# Altium PCB APP_1_PCB.PcbDoc (part 2 of 5) (continued)
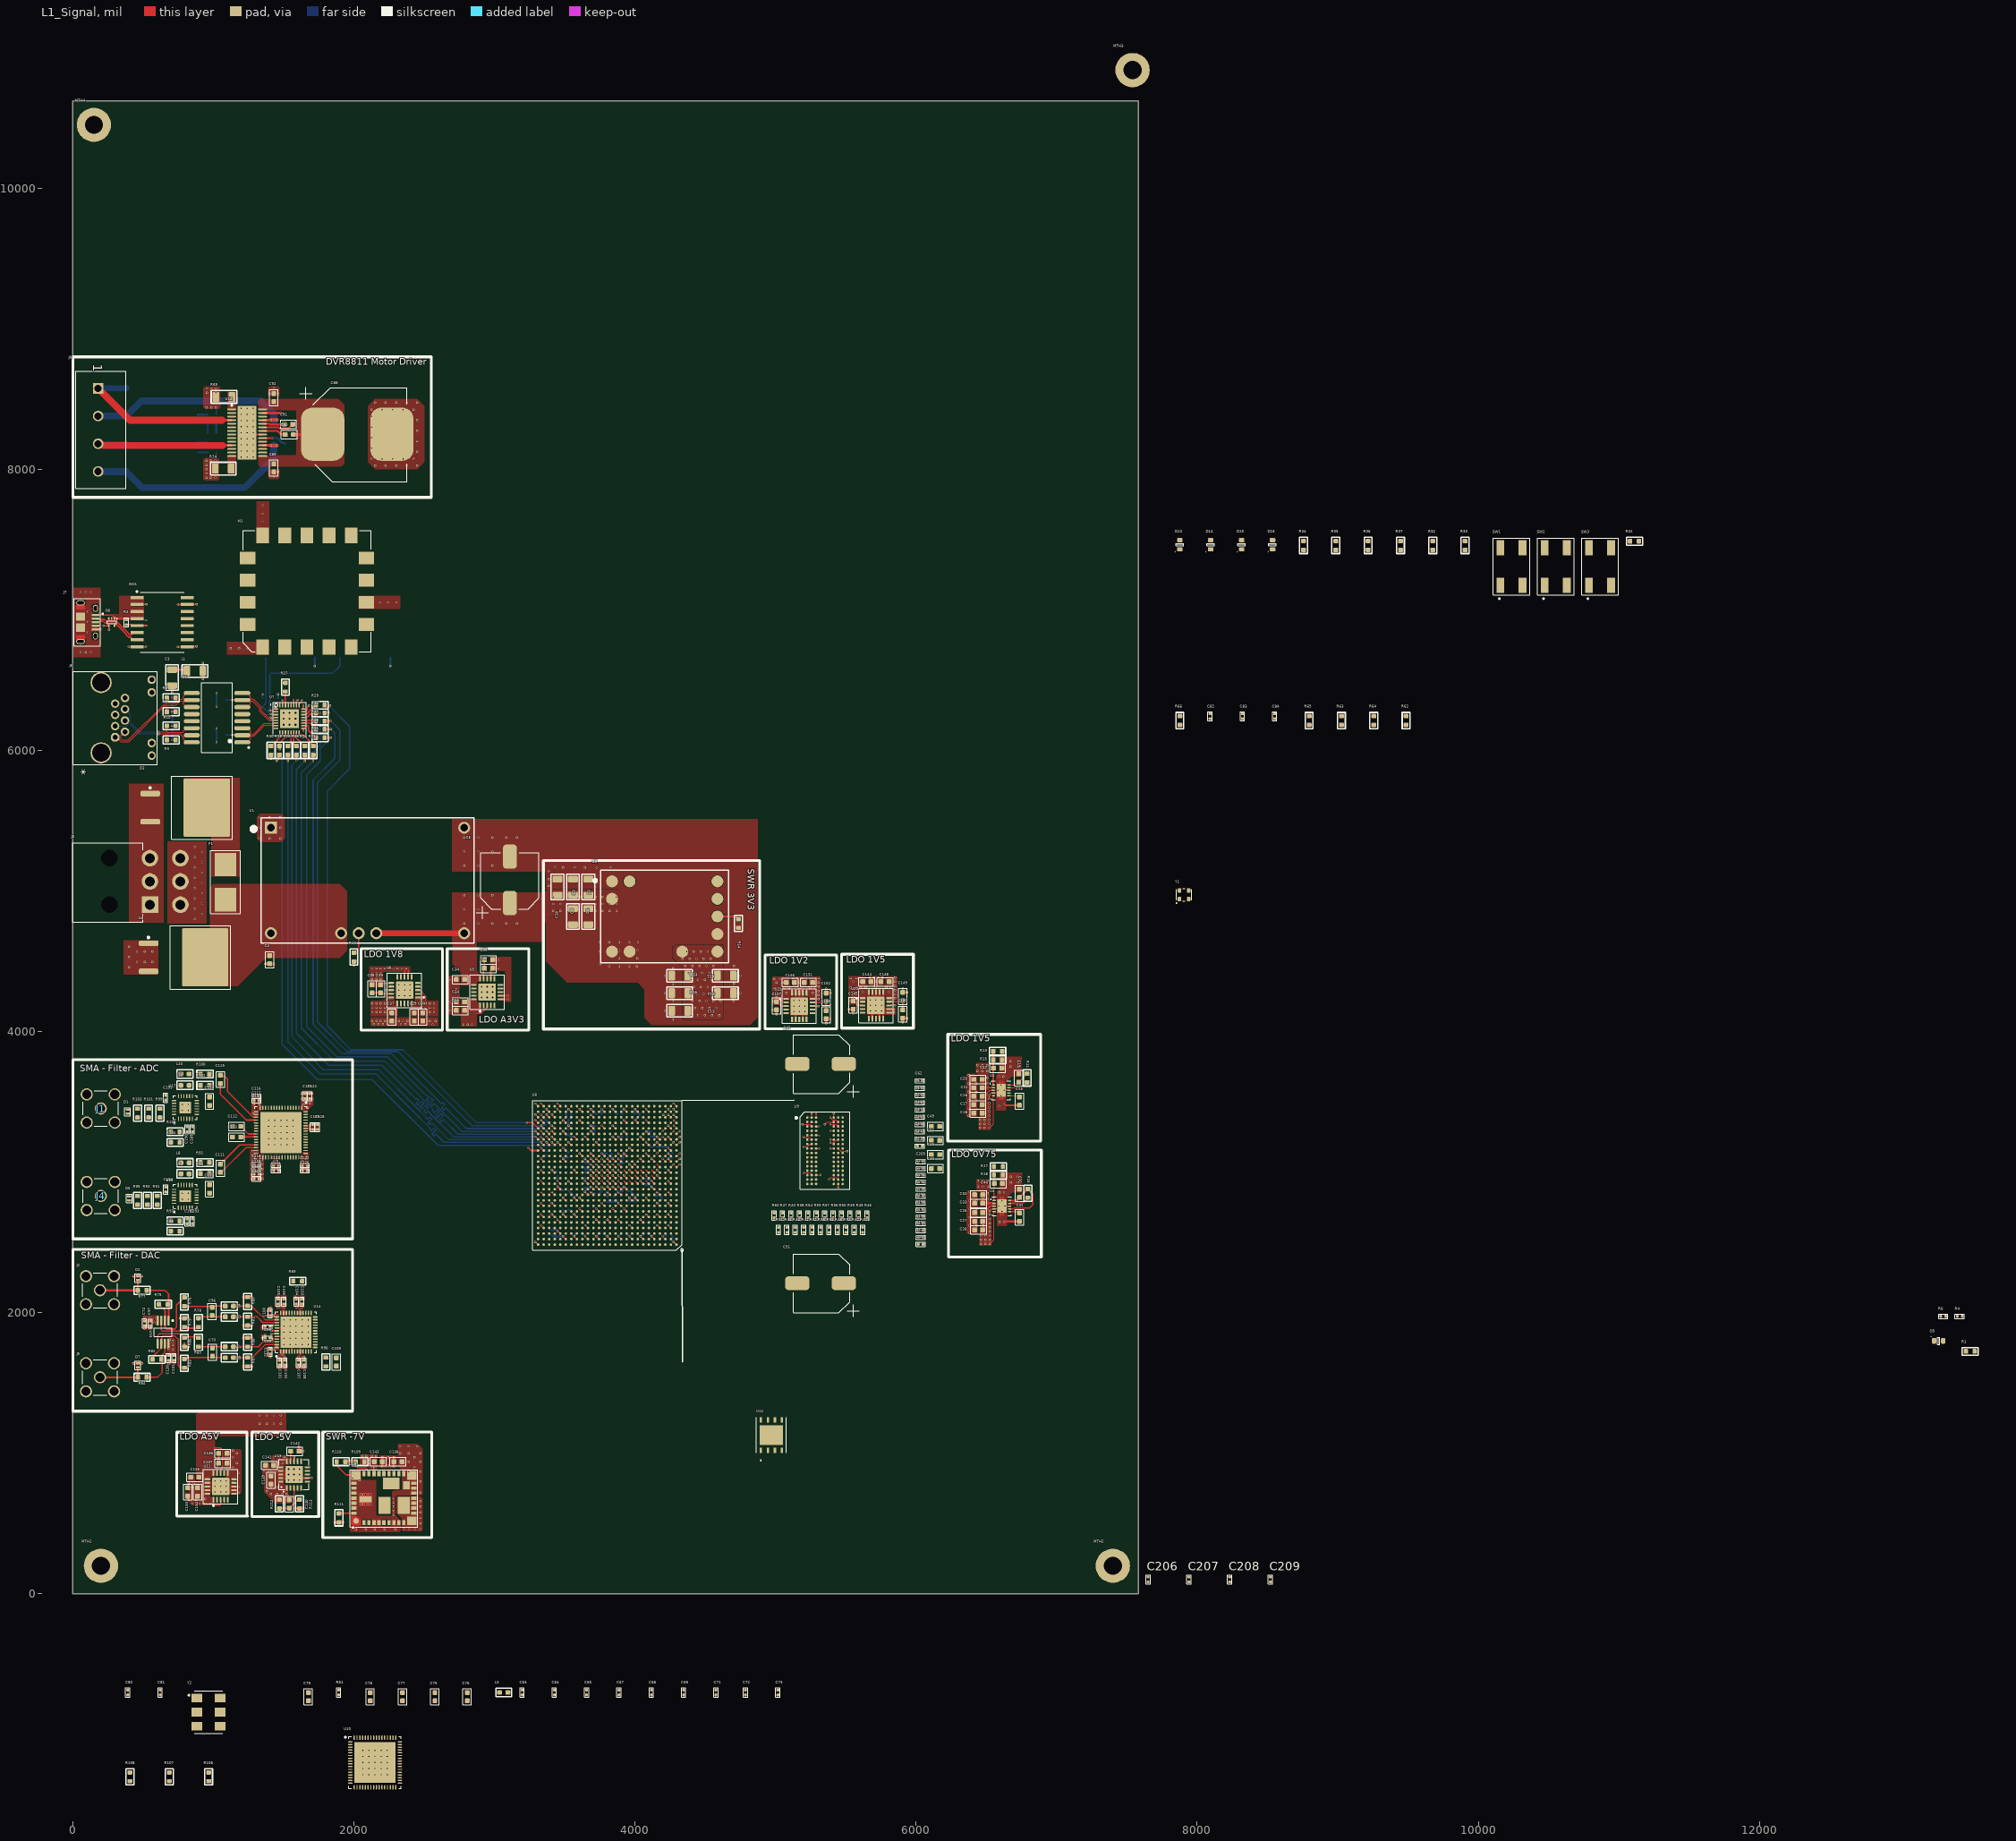
[diagram p0: L1_Signal view]
## Footprints (in the part's own frame and the unit in brackets; to place one, negate y for a bottom-side part, rotate by r counter-clockwise, add the part's x,y. Pads: shape width x height; smd on the part's side, far side on the other; paste and mask are expansions set on the pad) (continued)
  silkscreen extent -2.05,-1.7 1.7,1.7, body extent -1.55,-1.55 1.55,1.55, height 1
REG_SWR_LMZ34002RKGR [mm]
  round 1 smd paste-1.7 mask-1.7: 1(-5.05,-4.1)
  rect 0.6x0.95 smd paste-0.025 mask+0.07: 2(-3.6,-4.425) 3(-2.7,-4.425) 4(-1.8,-4.425) 5(-0.9,-4.425) 6(0,-4.425) 7(0.9,-4.425) 8(1.8,-4.425) 9(2.7,-4.425) 10(3.6,-4.425) 20(3.6,4.425) 21(2.7,4.425) 22(1.8,4.425) 23(0.9,4.425) 24(0,4.425) 25(-0.9,4.425) 26(-1.8,4.425) 27(-2.7,4.425) 28(-3.6,4.425)
  rect 1.7x1.6 smd paste-2 mask+0.07: 11(5.05,-4.1) 19(5.05,4.1) 29(-5.05,4.1)
  rect 0.95x0.6 smd paste-0.025 mask+0.07: 12(5.425,-2.7) 13(5.425,-1.8) 14(5.425,-0.9) 15(5.425,0) 16(5.425,0.9) 17(5.425,1.8) 18(5.425,2.7) 30(-5.425,2.7) 31(-5.425,1.8) 32(-5.425,0.9) 33(-5.425,0) 34(-5.425,-0.9) 35(-5.425,-1.8) 36(-5.425,-2.7)
  rect 2.25x1.1 smd paste-2 mask+0.07: 37(-3.3,-0.22)
  rect 2.2x3.1 smd paste-3.1 mask+0.07: 38(0.11,-1.3)
  rect 2.2x3.1 smd paste-3.1 mask+0.05: 39(3.59,-1.32)
  rect 1.24x1.4 smd paste-2 mask+0.05: 40(4.06,2.33)
  rect 3.05x2.04 smd paste-3.05 mask+0.05: 41(1.32,2.65)
  L1_Signal region: -4.425,-1.37 -2.175,-1.37 -2.175,0.93 -4.425,0.93
  L1_Signal region: -5.9,-4.9 -5.9,-3.3 -4.95,-3.3 -4.2,-3.95 -4.2,-4.9
  silkscreen extent -6.1,-5.4 6.1,5.1, body extent -5.55,-4.55 5.55,4.55, height 2.95
REG_SWR_PTH08T241WAZ [mil]
  round 85 smd paste+0 mask+2.76: 1(-375,250) 2(-375,125) 3(-375,-250) 4(-250,-250) 5(125,-250) 6(375,-250) 7(375,-125) 8(375,0) 9(375,125) 10(375,250) 11(-250,250)
  silkscreen extent -505,-330 455,330, body extent -455,-330 455,330, height 355
REG_SWR_PTN78020WAH [mil]
  rect 85x85 hole 55 mask+2.76: 1(-687.5,375)
  round 85 hole 55 mask+2.76: 2(-687.5,-375) 3(-187.5,-375) 4(-62.5,-375) 5(62.5,-375) 6(687.5,-375) 7(687.5,375)
  silkscreen extent -825,-445 758,445, body extent -748,-433 748,433, height 323
REG_TPS7A4701RGWR [mm]
  rrect50% 1x0.35 smd paste-0.025 mask+0.07: 1(-2.4,1.3) 2(-2.4,0.65) 3(-2.4,0) 4(-2.4,-0.65) 5(-2.4,-1.3) 11(2.4,-1.3) 12(2.4,-0.65) 13(2.4,0) 14(2.4,0.65) 15(2.4,1.3)
  rrect50% 0.35x1 smd paste-0.025 mask+0.07: 6(-1.3,-2.4) 7(-0.65,-2.4) 8(0,-2.4) 9(0.65,-2.4) 10(1.3,-2.4) 16(1.3,2.4) 17(0.65,2.4) 18(0,2.4) 19(-0.65,2.4) 20(-1.3,2.4)
  rrect10% 3.15x3.15 smd paste-1.575 mask+0: E1(0,0)
  silkscreen extent -3.59,-3.1 3.1,3.1, body extent -2.62,-2.62 2.63,2.63, height 1
RES_0402 [mil]
  rrect60% 20x20 smd: 1(-17.5,0) 2(17.5,0)
  silkscreen extent -32,-15 32,15, body extent -23,-11 23,11, height 16
RES_0603 [mil]
  rrect39% 31x35 smd: 1(-31.5,0) 2(31.5,0)
  silkscreen extent -58,-28 58,28, body extent -33,-16 33,16, height 22
RES_1206 [mil]
  rrect34% 47x71 smd: 1(-57,0) 2(57,0)
  silkscreen extent -91,-45 91,45, body extent -66,-34 66,34, height 33
SWI_TACT_B3SN-3012P [mm]
  rect 2.75x1.4 smd paste-0.025 mask+0.07: 1(-3.375,2) 2(3.375,2) 3(-3.375,-2) 4(3.375,-2)
  silkscreen extent -5.9,-3.3 5.1,3.3, body extent -3.05,-3.05 3.05,3.05, height 3.2
TIM_CDCE62005RGZT [mm] "QFN, 64-Leads, Body 9,00x9,00mm, Pitch 0,50mm, Thermal Pad 7,40x7,40mm, IPC Medium Density"
  oval 0.8x0.23 smd mask+0.07: 1(-4.475,3.75) 2(-4.475,3.25) 3(-4.475,2.75) 4(-4.475,2.25) 5(-4.475,1.75) 6(-4.475,1.25) 7(-4.475,0.75) 8(-4.475,0.25) 9(-4.475,-0.25) 10(-4.475,-0.75) 11(-4.475,-1.25) 12(-4.475,-1.75) 13(-4.475,-2.25) 14(-4.475,-2.75) 15(-4.475,-3.25) 16(-4.475,-3.75) 33(4.475,-3.75) 34(4.475,-3.25) 35(4.475,-2.75) 36(4.475,-2.25) 37(4.475,-1.75) 38(4.475,-1.25) 39(4.475,-0.75) 40(4.475,-0.25) 41(4.475,0.25) 42(4.475,0.75) 43(4.475,1.25) 44(4.475,1.75) 45(4.475,2.25) 46(4.475,2.75) 47(4.475,3.25) 48(4.475,3.75)
  oval 0.23x0.8 smd mask+0.07: 17(-3.75,-4.475) 18(-3.25,-4.475) 19(-2.75,-4.475) 20(-2.25,-4.475) 21(-1.75,-4.475) 22(-1.25,-4.475) 23(-0.75,-4.475) 24(-0.25,-4.475) 25(0.25,-4.475) 26(0.75,-4.475) 27(1.25,-4.475) 28(1.75,-4.475) 29(2.25,-4.475) 30(2.75,-4.475) 31(3.25,-4.475) 32(3.75,-4.475) 49(3.75,4.475) 50(3.25,4.475) 51(2.75,4.475) 52(2.25,4.475) 53(1.75,4.475) 54(1.25,4.475) 55(0.75,4.475) 56(0.25,4.475) 57(-0.25,4.475) 58(-0.75,4.475) 59(-1.25,4.475) 60(-1.75,4.475) 61(-2.25,4.475) 62(-2.75,4.475) 63(-3.25,4.475) 64(-3.75,4.475)
  rect 7.4x7.4 smd mask+0.07: PAD(0,0)
  silkscreen extent -5.5,-4.72 4.72,4.72, body extent -4.57,-4.57 4.57,4.57, height 1
TRANSFO_H1102NLT [mil]
  oval 115x30 smd: 1(-180,175) 2(-180,125) 3(-180,75) 4(-180,25) 5(-180,-25) 6(-180,-75) 7(-180,-125) 8(-180,-175) 9(180,-175) 10(180,-125) 11(180,-75) 12(180,-25) 13(180,25) 14(180,75) 15(180,125) 16(180,175)
  silkscreen extent -230,-248 110,248, body extent -175,-252 175,252, height 215
TVS_DATA_TPD1E1B04DPYR [mm]
  rrect25% 0.4x0.7 smd paste-0.025 mask+0.05: 1(-0.35,0) 2(0.35,0)
  silkscreen extent -0.75,-0.53 0.75,0.53, body extent -0.5,-0.3 0.5,0.3, height 0.45
TVS_PWR_SMBJ36CA [mm]
  rrect50% 2.16x2.26 smd paste+0 mask+0.102: 1(-2.45,0) 2(2.45,0)
  silkscreen extent -2.5,-2.1 2.5,2.1, body extent -2.6,-1.97 2.6,1.97, height 2.61
TVS_USB_TPD2E001DRLR [mm]
  rrect50% 0.45x0.3 smd paste-0.025 mask+0.05: 1(-0.675,0.5) 2(-0.675,0) 3(-0.675,-0.5) 4(0.675,-0.5) 5(0.675,0.5)
  silkscreen extent -0.73,-0.85 0.25,1.01, body extent -0.8,-0.8 0.8,0.8, height 0.49

## Part data
C1 C2: Package=0805, Voltage=50V, CreatedBy="Jonathan Bouchard", Precision=10%
C3: Package=1206, Voltage=2kV, CreatedBy="Jonathan Bouchard", Precision=10%
C4 C16 C17 C18 C19 C20 C21 C22 C23 C24 C25 C26 C27 C28 C29 C30 C31 C32 C33 C34 C35 C36 C37 C38 C39 C40 C41 C43 C45 C46 C49 C50 C70 C75 C76 C77 C78 C79 C85 C86 C87 C89 C90 C91 C92 C93 C94 C95 C96 C109 C110 C111 C112 C113 C114 C115 C133 C134 C135 C136 C137 C138 C139 C140 C141 C142 C143 C144 C145 C146 C147 C148 C149 C150 C151 C152 C153: Package=0603, Voltage=50V, CreatedBy="Jonathan Bouchard", Precision=10%
C5 C42 C44: library part CAP_ALU_MAL214699501E3, "CAP - ALU 330uF 20% 16V - 1010", Current=750mA, Package=1010, Supplier Part Number 1=4405PHCT-ND, Temperature="-55°C to 125°C", Voltage=16V, CreatedBy="Jonathan Bouchard", helpURL=http://www.vishay.com/docs/28403/146cti.pdf, Mfg="Vishay Dale", Mfg Part Number=MAL214699501E3, Precision=20%, Supplier 1=Digikey
C6 C7 C8 C9 C10 C11 C12 C13 C14 C15: Package=1206, Voltage=50V, CreatedBy="Jonathan Bouchard", Precision=10%
C47 C51: library part CAP_ALU_MAL215099101E3, "CAP - ALU 100uF 20% 50V - 1010", Current=490mA, Package=1010, Supplier Part Number 1=4399PHDKR-ND, Temperature="-55°C to 125°C", Voltage=50V, CreatedBy="Jonathan Bouchard", helpURL=http://www.vishay.com/docs/28395/150crz.pdf, Mfg="Vishay Dale", Mfg Part Number=MAL215099101E3, Precision=20%, Supplier 1=Digikey
C48 C52 C53 C54 C55 C56 C57 C58 C59 C60 C61 C62 C63 C64 C65 C67 C68 C69 C71 C72 C73 C74 C80 C81 C82 C83 C84 C97 C98 C99 C100 C101 C102 C103 C104 C105 C106 C107 C108 C116 C117 C118 C119 C120 C121 C122 C123 C124 C125 C126 C127 C128 C129 C130 C131 C132 C154 C155 C156 C157 C158 C159 C160 C161 C162 C163 C164 C165 C166 C167 C168 C169 C170 C171 C172 C173 C174 C175 C176 C177 C178 C179 C180 C181 C182 C183 C184 C185 C186 C187 C188 C189 C190 C191 C192 C193 C194 C195 C196 C197 C198 C199 C200 C201 C202 C203 C204 C205 C206 C207 C208 C209: Package=0402, Voltage=50V, CreatedBy="Jonathan Bouchard", Precision=10%
C66 C88: library part CAP_ALU_MAL214699108E3, "CAP - ALU 470uF 20% 50V - 1616", Current=1.3A, Package=1616, Supplier Part Number 1=4442PHCT-ND, Temperature="-55°C to 125°C", Voltage=50V, CreatedBy="Jonathan Bouchard", helpURL=http://www.vishay.com/docs/28403/146cti.pdf, Mfg="Vishay Dale", Mfg Part Number=MAL214699108E3, Precision=20%, Supplier 1=Digikey
D1 D2 D6 D7: library part TVS_DATA_TPD1E1B04DPYR, "TVS - TVS DIODE 3.6V 8.5V - 0402", Current Rating=6.3Apeak, Manufacturer #1="Texas Instruments", Package=0402, Power Max=50Wpeak, Supplier Part Number 1=296-47364-1-ND, Temperature="-40°C ~ 125°C (TA)", Voltage Rating=3.6V, Assembly Type=SMD, CreatedBy/Date="Keven Deslandes - 2018/10/19", Cryo=UNKNOWN, GRAMS Lib Spec=2.8, helpURL=http://www.ti.com/lit/ds/symlink/tpd1e1b04.pdf, Magnetic Material=Unknown, Part Number #1=TPD1E1B04DPYR, Polarized=No, Supplier 1=Digi-Key, VerifiedBy="Caroline Paulin - 28 janv 2019"
D3 D4: library part DIO_SCHOTTKY_MBRB4030T4G, "DIO - 30V MAX 40 A - TO-263-3", Current Rating=40A, Manufacturer #1="ON Semiconductor", Package=D2PAK, Supplier Part Number 1=MBRB4030T4GOSCT-ND, Temperature="-65°C ~ 175°C", Voltage Rating=30V, Assembly Type=SMD, CreatedBy/Date="Arnaud Samson - 06/07/18", Cryo=UNKNOWN, GRAMS Lib Spec=2.8, helpURL=http://www.onsemi.com/pub/Collateral/MBRB4030-D.PDF, Magnetic Material=NO, Part Number #1=MBRB4030T4G, Polarized=Yes, Supplier 1=Digi-Key, VerifiedBy="Jonathan Bouchard 2018-07-12"
D5: library part LED_SML-311UTT86, "LED - 620nM RED 2mA - 0603", Current=2mA, Package=0603, Power=44mW, Supplier Part Number 1=511-1304-1-ND, Temperature="-30°C to 85°C", Voltage=1.8V, CreatedBy="Jonathan Bouchard", helpURL=http://media.digikey.com/pdf/Data%20Sheets/Rohm%20PDFs/SML-311%20Series.pdf, Mfg="ROHM Semiconductor", Mfg Part Number=SML-311UTT86, Supplier 1=Digikey
D8: library part TVS_USB_TPD2E001DRLR, "TVS - USB TVS DIODE 5.5V - SOT-553", Manufacturer #1="Texas Instruments", Package=SOT-553, Supplier Part Number 1=296-21883-1-ND, Temperature="-40°C ~ 85°C (TA)", Voltage Rating="5.5V (Max)", Assembly Type=SMD, CreatedBy/Date="Jonathan Bouchard 2018-07-10", Cryo=UNKNOWN, GRAMS Lib Spec=2.8, helpURL=http://www.ti.com/lit/ds/symlink/tpd2e001.pdf, Magnetic Material=YES, Part Number #1=TPD2E001DRLR, Polarized=YES, Supplier 1=Digi-Key, VerifiedBy="Arnaud Samson 16-07-18"
D9 D10 D11 D12: library part TVS_PWR_SMBJ24CA, "TVS - 24V 26.7V 600W - DO214AA", Current Rating=15.5A, Manufacturer #1="Littelfuse Inc.", Package=DO214AA, Power Max=600W, Supplier Part Number 1=SMBJ24CALFCT-ND, Temperature="-65°C ~ 150°C (TJ)", Voltage Rating="24V Standoff", Assembly Type=SMD, CreatedBy/Date="Arnaud Samson - 06/07/18", Cryo=UNKNOWN, GRAMS Lib Spec=2.8, helpURL=http://www.littelfuse.com/~/media/electronics/datasheets/tvs_diodes/littelfuse_tvs_diode_smbj_datasheet.pdf.pdf, Magnetic Material=UNKNOWN, Part Number #1=SMBJ24CA, Polarized=NO, Supplier 1=Digi-Key, VerifiedBy="Jonathan Bouchard - 2018-07-13"
D13 D14 D15 D16: library part LED_SML-311DTT86, "LED - 611nM ORANGE 2mA - 0603", Current=2mA, Package=0603, Power=44mW, Supplier Part Number 1=511-1303-1-ND, Temperature="-40°C to 85°C", Voltage=1.8V, CreatedBy="Jonathan Bouchard", helpURL=http://media.digikey.com/pdf/Data%20Sheets/Rohm%20PDFs/SML-311%20Series.pdf, Mfg="ROHM Semiconductor", Mfg Part Number=SML-311DTT86, Supplier 1=Digikey
F1: library part FUS_0154002.DR, "FUS - 2 A 125 VAC/VDC - 2-SMD", Current Rating=2A, Manufacturer #1="Littelfuse Inc.", Package=2-SMD, Supplier Part Number 1=F1224CT-ND, Temperature="-55°C ~ 125°C", Voltage Rating=125V, Assembly Type=SMD, CreatedBy/Date="Jonathan Bouchard 2018-07-17", Cryo=UNKNOWN, GRAMS Lib Spec=2.8, helpURL=http://www.littelfuse.com/~/media/electronics/datasheets/fuses/littelfuse_fuse_154_154t_154l_154tl_datasheet.pdf.pdf, Magnetic Material=UNKNOWN, Part Number #1=0154002.DR, Polarized=NO, Supplier 1=Digi-Key, VerifiedBy="Arnaud Samson 23-07-18"
ISO1: library part ISO_ADUM3160BRWZ-RL, "ISO - DGTL ISO 2.5KV 2CH USB - 16SOIC", Manufacturer #1="Analog Devices", Package=16-SOIC, Supplier Part Number 1=ADUM3160BRWZ-RLCT-ND, Temperature="-40°C ~ 105°C", Voltage Rating=3~5.5V, Assembly Type=SMD, CreatedBy/Date="Tommy Rossignol 2018-11-16", Cryo=UNKNOWN, GRAMS Lib Spec=2.8, helpURL=https://www.analog.com/media/en/technical-documentation/data-sheets/ADuM3160.pdf, Magnetic Material=UNKNOWN, Part Number #1=ADUM3160BRWZ-RL, Polarized=Yes, Supplier 1=Digi-Key, VerifiedBy="Caroline Paulin - 13 février 2019"
J1 J2 J4 J5: library part CONN_SMA_5-1814400-1, "CONN -  SMA JACK R/A 50 OHM - TH", Package=TH-5, Supplier Part Number 1=A97593-ND, Temperature="-55°C ~ 85°C", CreatedBy="Jonathan Bouchard", helpURL=http://www.te.com/commerce/DocumentDelivery/DDEController?Action=srchrtrv&DocNm=1814400&DocType=Customer+Drawing&DocLang=English, Mfg="TE Connectivity AMP Connectors", Mfg Part Number=5-1814400-1, Supplier 1=Digikey
J3: library part CON_MINIFIT_0039300060, "CON - Mini-Fit Through Hole, Right Angle 6 position", Current Rating=8A, Manufacturer #1=Molex, Package=TH, Supplier Part Number 1=WM21353-ND, Temperature="- 40°C to + 80°C", Voltage Rating=600V, Assembly Type=TH, CreatedBy/Date="Joel Lemay 2018-06-21", Cryo=UNKNOWN, GRAMS Lib Spec=2.8, helpURL=https://www.molex.com/pdm_docs/sd/039300060_sd.pdf, Magnetic Material=Unknown, Part Number #1=0039300060, Polarized=Yes, Supplier 1=Digi-Key, VerifiedBy="Caroline Paulin - 10 sept 2018"
J6: library part CONN_ETHERNET_RJHSE-5385, "CONN - MOD JACK RJ45 R/A ETHERNET - TH", Package=TH-12, Supplier Part Number 1=RJHSE-5385-ND, Temperature="-55°C ~ 85°C", CreatedBy="Jonathan Bouchard", helpURL=https://www.amphenolcanada.com/ProductSearch/drawings/AC/RJHSE538X.pdf, Mfg=Amphenol, Mfg Part Number=RJHSE-5385, Supplier 1=Digikey
J7: library part CON_USB_10118194-0001LF, "CON - USB MICRO B RECPT SMT R/A - 4PIN", Current Rating=1.8A, Manufacturer #1="Amphenol FCI", Package=5-SMD, Supplier Part Number 1=609-4618-1-ND, Temperature="-30°C ~ 80°C", Voltage Rating=100VAC, Assembly Type=SMD, CreatedBy/Date="Arnaud Samson - 09/07/18", Cryo=UNKNOWN, GRAMS Lib Spec=2.8, helpURL=https://cdn.amphenol-icc.com/media/wysiwyg/files/drawing/10118194.pdf, Magnetic Material=YES, Part Number #1=10118194-0001LF, Polarized=YES, Supplier 1=Digi-Key, VerifiedBy="Jonathan Bouchard 2018-07-12"
J8: library part CONN_TERMINAL_OSTTC040162, "CONN -  TERMINAL BLOCK 4POS 5MM - TH", Package=TH-4, Supplier Part Number 1=ED2602-ND, Temperature="-30°C ~ 105°C", CreatedBy="Jonathan Bouchard", helpURL=http://www.on-shore.com/wp-content/uploads/2015/09/osttcxx0162.pdf, Mfg="On Shore Technology Inc.", Mfg Part Number=OSTTC040162, Supplier 1=Digikey
L1: Current=1A, Package=1206, CreatedBy="Jonathan Bouchard"
L2 L3 L4 L5 L6 L7 L8 L9 L10 L11: Current=1A, Package=0603, CreatedBy="Jonathan Bouchard"
M1: library part MOD_JTAG_410-357-B, "MOD - JTAG-SMT3-NC Programming Module For Xilinx FPGA - 18-SMT", Manufacturer #1=Digilent, Package="18-pad SMT", Supplier Part Number 1=1286-1196-ND, Temperature="-40°C ~ 85°C", Voltage Rating="VDD: 2.97V~3.63V, VJTAG/VUART: 1.65V~5.5V", Assembly Type=SMD, CreatedBy/Date="Tommy Rossignol 2018-11-23", Cryo=UNKNOWN, GRAMS Lib Spec=2.8, helpURL=https://reference.digilentinc.com/_media/reference/programmers/jtag-smt3/jtag-smt3-nc_rm.pdf, Magnetic Material=Unknown, Note="Prior to reflow, the JTAG-SMT3-NC module must be dried at 125°C for 17 hours", Part Number #1=410-357-B, Polarized=Yes, Supplier 1=Digi-Key, VerifiedBy="Nicolas V. (2019-01-28)"
MTH1 MTH2 MTH3 MTH4: library part MTH_M3, "MTH - MOUNTING HOLE M3 PLATED - M3", Assembly Type=NONE, CreatedBy/Date="Jonathan Bouchard 2018-07-23", Cryo=UNKNOWN, GRAMS Lib Spec=2.8, helpURL=https://littlemachineshop.com/images/gallery/PDF/TapDrillSizes.pdf, Magnetic Material=NO, Package=M3, VerifiedBy="Arnaud Samson 23-07-18"
R1 R2 R7 R8 R9 R10 R11 R12 R13 R14 R15 R16 R17 R18 R19 R20 R21 R22 R23 R24 R25 R26 R27 R28 R29 R30 R31 R32 R33 R34 R35 R36 R37 R62 R63 R64 R65 R66 R67 R68 R70 R71 R72 R73 R75 R76 R77 R78 R79 R80 R81 R82 R83 R84 R85 R86 R87 R88 R89 R90 R91 R92 R93 R94 R95 R96 R97 R98 R99 R100 R101 R102 R103 R104 R105 R106 R107 R108 R109 R110 R111 R112 R113: Package=0603, CreatedBy="Jonathan Bouchard", Precision=1%
R3 R4 R5 R6: Current=DNI, Package=0402, Power=1/16W, Voltage=50V, CreatedBy="Jonathan Bouchard", Precision=1%
R38 R39 R40 R41 R42 R43 R44 R45 R46 R47 R48 R49 R50 R51 R52 R53 R54 R55 R56 R57 R58 R59 R60 R61: Package=0402, Power=1/16W, Voltage=50V, CreatedBy="Jonathan Bouchard", Precision=1%
R69 R74: Package=1206, CreatedBy="Jonathan Bouchard", Precision=1%
SW1 SW2 SW3: library part SWI_TACT_B3SN-3012P, "SWI - TACT SPST-NO 0.05A 24V - 4-SMD", Current=50mA, Package=4-SMD, Supplier Part Number 1=SW261CT-ND, Temperature="-25°C ~ 70°C", Voltage=24V, CreatedBy="Jonathan Bouchard", helpURL=http://www.omron.com/ecb/products/pdf/en-b3sn.pdf, Mfg=Omron, Mfg Part Number=B3SN-3012P, Supplier 1=Digikey
T1: library part TRANSFO_H1102NLT, "TRANSFO - ETHERNET 10/100B-TX - SMD-16", Package=SMD-16, Supplier Part Number 1=553-1532-1-ND, Temperature="-40°C to 85°C", CreatedBy="Jonathan Bouchard", helpURL=http://media.digikey.com/pdf/Data%20Sheets/Pulse%20PDFs/10_100BASE-T%20Single%20Port%20SMD%20Magnetics_Rev2008.pdf, Mfg="Pulse Eng.", Mfg Part Number=H1102NLT, Supplier 1=Digikey
U1: library part REG_SWR_PTN78020WAH, "REG - DC DC CONVERTER 2.5-12.6V 6A - TH", Current Rating=6A, Manufacturer #1="Texas Instruments", Manufacturer #2=-, Package=TH, Power Max="90 W", Supplier Part Number 1=296-20515-ND, Temperature="-40°C ~ 85°C", Voltage Rating=36V, Assembly Type=TH, CreatedBy/Date=Arnaud_Samson_2019-07-09, Cryo=UNKNOWN, GRAMS Lib Spec=2.8, helpURL=http://www.ti.com/lit/ds/symlink/ptn78020h.pdf, Magnetic Material=Yes, Part Number #1=PTN78020WAH, Part Number #2=-, Polarized=Yes, Supplier 1=Digi-Key, Tolerance=-, VerifiedBy="c.Paulin - 15 juillet 2019"
U2 U4: library part REG_PMIC_TPS51200DRCT, "REG - DDR TERMINATION/REF REG - 10-VFDFN", Current Rating="Source: 3A~4.5A, Sink: 3.5A~5.5A", Manufacturer #1="Texas Instruments", Package=10-VFDFN, Supplier Part Number 1=296-23830-1-ND, Temperature="-40°C ~ 85°C", Voltage Rating="2.375V ~ 3.5V", Assembly Type=SMD, CreatedBy/Date="Joel Lemay 2019-03-19", Cryo=UNKNOWN, GRAMS Lib Spec=2.8, helpURL=http://www.ti.com/lit/ds/symlink/tps51200.pdf, Magnetic Material=Unknown, Part Number #1=TPS51200DRCT, Polarized=Yes, Supplier 1=Digi-Key, VerifiedBy="Nicolas V. (2019-05-31)"
U3: library part REG_SWR_PTH08T241WAZ, "REG - MODULE PIP 10A 14VIN - 11-SMD", Current Rating="10A (out)", Manufacturer #1="Texas Instruments", Package=SMD, Supplier Part Number 1=296-21339-ND, Temperature="-40°C ~ 85°C", Voltage Rating="4.5-14V (Input), 0.69 - 5.5V (Out)", Assembly Type=SMD, CreatedBy/Date="Olivier Bernard / 6/5/2018", Cryo=UNKNOWN, helpURL=http://www.ti.com/lit/ds/symlink/pth08t241w.pdf, Magnetic Material=UNKNOWN, Part Number #1=PTH08T241WAZ, Polarized=Yes, Supplier 1=Digi-Key, VerifiedBy="Caroline Paulin / 10 juillet 2018"
U5 U6 U11 U20 U21: library part REG_LDO_TPS7A4701RGWR, "REG - LINEAR POS ADJ 1A - 20VQFN", Current Rating=1A, Manufacturer #1="Texas Instruments", Manufacturer #2=TBD, Package="20-VQFN Exposed Pad", Supplier Part Number 1=296-37224-1-ND, Temperature="-40°C ~ 125°C", Tolerance=-, Voltage Rating="35V max", Assembly Type=SMD, CreatedBy/Date="L-P Gauthier / 2018-05-29", Cryo=UNKNOWN, GRAMS Lib Spec=2.8, helpURL=http://www.ti.com/lit/ds/symlink/tps7a47.pdf, Magnetic Material=Unknown, Part Number #1=TPS7A4701RGWR, Part Number #2=TBD, Polarized=Yes, Supplier 1=Digi-Key, VerifiedBy="Caroline Paulin - 28 sept 2018"
U7: library part COM_ETH_PHY_KSZ8091MNXCA, "COM - ETHERNET PHY 10/100 - QFN-32", Package=QFN-32, Supplier Part Number 1=576-4356-ND, Temperature="0°C ~ 70°C", Voltage="1.8V, 2.5V, 3.3V", CreatedBy="Jonathan Bouchard", helpURL=http://ww1.microchip.com/downloads/en/DeviceDoc/00002275A.pdf, Mfg=Micrel, Mfg Part Number=KSZ8091MNXCA, Supplier 1=Digikey
U8: library part FPGA_XC6SLX100-3FGG676C, "FPGA - XILINX SPARTAN 6 480 I/O - BGA-676", Package=BGA-676, Supplier Part Number 1=122-1760-ND, Temperature="0°C ~ 85°C (TJ)", Voltage="1.14 V ~ 1.26 V", CreatedBy="Jonathan Bouchard", helpURL=https://www.xilinx.com/support/documentation/data_sheets/ds162.pdf, Mfg=Xilinx, Mfg Part Number=XC6SLX100-3FGG676C, Supplier 1=Digikey
U9: library part "MEM_DDR3_MT41J128M16JT-125:K TR", "MEM - DDR3 SDRAM 2GBIT 800MHZ - TFBGA-96", Package=TFBGA-96, Supplier Part Number 1=557-1611-1-ND, Temperature="0°C ~ 95°C (TC)", Voltage="1.425 V ~ 1.575 V", CreatedBy="Jonathan Bouchard", helpURL=http://www.micron.com/~/media/Documents/Products/Data%20Sheet/DRAM/DDR3/2Gb_DDR3_SDRAM.pdf, Mfg=Micrel, Mfg Part Number=MT41J128M16JT-125, Supplier 1=Digikey
U10: library part TIM_CDCE62005RGZT, "TIM - CLK SYNTH JITTER CLEANER 3:5 - QFN-48", Package=QFN-48, Supplier Part Number 1=296-23947-1-ND, Temperature="-40°C ~ 85°C", Voltage="3 V ~ 3.6 V", CreatedBy="Jonathan Bouchard", helpURL=http://www.ti.com/lit/ds/symlink/cdce62005.pdf, Mfg="Texas Instruments", Mfg Part Number=CDCE62005RGZT, Supplier 1=Digikey
U12: library part FLA_AT25DF321A-MH-T, "SPI Serial Flash Memory, 32 Megabit, 100 MHz, 2.7 to 3.6 V, -40 to 85 degC, 8-Pin UDFN (MA1-8), RoHS, Tape and Reel", Manufacturer=Adesto, Max. Freq="100 MHz", Operating Temperature="-40 to 85 degC", Operating Voltage="2.7 to 3.6 V", ComponentLink1Description="Manufacturer URL", ComponentLink1URL=http://www.adestotech.com/, ComponentLink2Description=Datasheet, ComponentLink2URL=http://www.adestotech.com/sites/default/files/datasheets/doc3686.pdf, ComponentLink3Description="Package Specification", ComponentLink3URL=http://www.adestotech.com/sites/default/files/datasheets/doc3668.pdf, DatasheetVersion="Rev. 3686E", Device Density="32 Megabit", Interface=Serial, Mounting Technology="Surface Mount", PackageDescription="8-Pin Thermally Enhanced Plastic Ultra Thin Dual Flat No Lead Package, Body 5 x 6 mm, Pitch 1.27 mm", PackageReference=MA1-8, PackageVersion="Rev. D", Packing="Tape and Reel", PartNumber=AT25DF321A-MH-T, RoHS=TRUE
U13: library part POW_MOTOR_DRV8811PWPR, "POW - STEPPER MOTOR DRIVER - SOP-28", Package=SOP-28, Supplier Part Number 1=296-24591-1-ND, Temperature="-40°C ~ 150°C (TJ)", Voltage="3 V ~ 5.5 V / 8 V ~ 38 V", CreatedBy="Jonathan Bouchard", helpURL=http://www.ti.com/lit/ds/symlink/drv8811.pdf, Mfg="Texas Instrument", Mfg Part Number=DRV8811PWPR, Supplier 1=Digikey
U14: library part DAC_AD9146BCPZ, "DAC - 16BIT SRL HIGH SPEED - QFN-48", Package=QFN-48, Supplier Part Number 1=AD9146BCPZ-ND, Temperature="-40°C ~ 85°C", Voltage="3.13 V ~ 3.47 V / 1.71 V ~ 1.89 V", CreatedBy="Jonathan Bouchard", helpURL=http://www.analog.com/media/en/technical-documentation/data-sheets/AD9146.PDF, Mfg="Analog Devices Inc.", Mfg Part Number=AD9146BCPZ, Precision="16 Bit", Supplier 1=Digikey
U15: library part OPAMP_AD8056ARMZ, "OPAMP - VFB 300MHZ - 8MSOP", Current=60mA, Package=MSOP-8, Supplier Part Number 1=AD8056ARMZ-REEL7CT-ND, Temperature="-40°C ~ 125°C", Voltage="8 V ~ 12 V, ±4 V ~ 6 V", CreatedBy="Jonathan Bouchard", helpURL=http://www.analog.com/media/en/technical-documentation/data-sheets/AD8055_8056.pdf, Mfg="Analog Devices", Mfg Part Number=AD8056ARMZ, Supplier 1=Digikey
U16: library part ADC_ADS62P48IRGCT, "ADC - 14 BIT 210MSPS SUAL - VQFN-64", Package=VQFN-64, Supplier Part Number 1=296-24611-1-ND, Temperature="-40°C ~ 85°C", Voltage="3.15 V ~ 3.6 V / 1.7 V ~ 1.9 V", CreatedBy="Jonathan Bouchard", helpURL=http://www.ti.com/lit/ds/symlink/ads62p48.pdf, Mfg="Texas Instruments", Mfg Part Number=ADS62P48IRGCT, Precision="14 Bit", Supplier 1=Digikey
U17 U22: library part OPAMP_ADA4927-2YCPZ-R2, "OPAMP - CFA 2.3GHZ - QFN-24", Current=65mA, Package=QFN-24, Supplier Part Number 1=ADA4927-2YCPZ-R2CT-ND, Temperature="-40°C ~ 105°C", Voltage="4.5 V ~ 11 V, ±2.25 V ~ 5.5 V", CreatedBy="Jonathan Bouchard", helpURL=http://www.analog.com/media/en/technical-documentation/data-sheets/ADA4927-1_4927-2.pdf, Mfg="Analog Devices", Mfg Part Number=ADA4927-2YCPZ-R2, Supplier 1=Digikey
U18: library part REG_SWR_LMZ34002RKGR, "REG - DC DC Converter -3V to -17V 2A - 41-B1QFN", Current Rating=2A, Manufacturer #1="Texas Instruments", Package=41-B1QFN, Power Max=15W, Supplier Part Number 1=296-44356-1-ND, Temperature="-40°C ~ 85°C", Voltage Rating=4.5-40V, Assembly Note="One reflow only", Assembly Type=SMD, CreatedBy/Date="P.Marcoux  20-06-2019", Cryo=UNKNOWN, GRAMS Lib Spec=2.8c, helpURL=http://www.ti.com/lit/ds/symlink/lmz34002.pdf, Magnetic Material=Unknown, Part Number #1=LMZ34002RKGR, Polarized=Yes, Supplier 1=Digi-Key, VerifiedBy="C.Paulin - 22/01/2020"
U19: library part REG_LDO_TPS7A3301RGWR, "REG - LDO Negative Adjustable 1 Output -1.18V-33V 1A -  20-VQFN (5x5)", Current Rating=1A, Manufacturer #1="Texas Instruments", Package=20-VQFN, Supplier Part Number 1=296-39502-1-ND, Temperature="-40°C ~ 125°C", Voltage Rating=-36V, Assembly Type=SMD, CreatedBy/Date="Keven Deslandes - 2018/10/11", Cryo=UNKNOWN, GRAMS Lib Spec=2.8, helpURL=http://www.ti.com/lit/ds/symlink/tps7a33.pdf, Magnetic Material=Unknown, Part Number #1=TPS7A3301RGWR, Polarized=Yes, Supplier 1=Digi-Key, VerifiedBy="Caroline Paulin - 11/12/2018"
Y1: library part OSC_ASDMB-25.000MHZ-LC-T, "OSC - 25MHz XO (Standard) LVCMOS - 4-SMD, No Lead", Manufacturer #1="Abracon LLC", Package="4-SMD, No Lead", Supplier Part Number 1=535-11730-1-ND, Temperature="-40°C ~ +85°C", Tolerance=±50ppm, Voltage Rating="1.8V ~ 3.3V", Assembly Type=SMD, CreatedBy/Date="Joël Lemay 2019-03-29", Cryo=UNKNOWN, GRAMS Lib Spec=2.8, helpURL=https://abracon.com/Oscillators/ASDMB.pdf, Magnetic Material=Unknown, Part Number #1=ASDMB-25.000MHZ-LC-T, Polarized=Yes, Supplier 1=Digi-Key, VerifiedBy="C. Paulin - 29 mai 2019"
Y2: library part OSC_590BD-BDG, "TIM - OSC PROG 125MHz ~ 214.999MHz LVDS 3.3V 7PPM EN/DS - 6-SMD", Current Rating="100 mA (supply)", Manufacturer #1="Silicon Labs", Package=6-SMD, Supplier Part Number 1=590BD-BDG-ND, Temperature="-40°C ~ 85°C", Voltage Rating="3.3V (supply)", Assembly Type=SMD, CreatedBy/Date="from 590BD-CDG", Cryo=UNKNOWN, GRAMS Lib Spec=2.8, helpURL=https://www.silabs.com/documents/public/data-sheets/Si590-591.pdf, Magnetic Material=UNKNOWN, Note="Spécifié la fréquence lors de la commande", Part Number #1=590BD-BDG, Polarized=Yes, Supplier 1=Digi-Key, VerifiedBy="Caroline Paulin / 3/10/2019"

## Via types
v1: diameter 15, hole 9, L1_Signal to L12_Signal, tented both sides, 539 vias
v2: diameter 15, hole 9, L1_Signal to L12_Signal, 464 vias
v3: diameter 19.68, hole 7.87, L1_Signal to L12_Signal, 89 vias
v4: diameter 13, hole 7, L1_Signal to L12_Signal, 15 vias
v5: diameter 19.68, hole 11.81, L1_Signal to L12_Signal, 15 vias
v6: diameter 22, hole 12, L1_Signal to L12_Signal, 9 vias

## Nets (pads, with @x,y where several pads share a name; then routed paths per layer and width w, separated by ;. In a path a pad name is that pad's centre, name@x,y a point inside that pad or via, vN(x,y) a via of type N, cw(c..) or ccw(c..) an arc to the next point about the centre after c; other vN are vias at no path point)
1V2: C146.2 C147.2 C154.2 C155.2 C156.2 C157.2 C158.2 C159.2 U8.K11 U8.K17 U8.L10 U8.L12 U8.L14 U8.L16 U8.M11 U8.M13 U8.M15 U8.N12 U8.N14 U8.N16 U8.P11 U8.P13 U8.P15 U8.R12 U8.R14 U8.R16 U8.T11 U8.T13 U8.T15 U8.T17 U8.U10 U8.U16 U21.1 U21.3 U21.20 | length 1192.7
  L1_Signal w10: v1(3644.64,2858.76) 3644.96,2858.76 U8.K17@3664.86,2838.85 ; v1(3644.64,3094.66) 3664.23,3075.07 U8.T17@3664.86,3075.07 ; v1(3684.57,2895.69) 3686.77,2895.69 U8.L16@3704.23,2878.22 ; v1(3684.57,2976.55) 3684.64,2976.55 U8.N16@3704.23,2956.96 ; v1(3684.57,3055.29) 3684.64,3055.29 U8.R16@3704.23,3035.7 ; v1(3684.57,3134.03) 3704.16,3114.44 U8.U16@3704.23,3114.44 ; v1(3723.94,2937.18) v1(3723.94,2937.18) U8.M15@3743.61,2917.59 ; v1(3723.94,3015.92) 3743.53,2996.33 U8.P15@3743.61,2996.33 ; v1(3723.94,3094.66) v1(3723.94,3094.66) U8.T15@3743.61,3075.07 ; v1(3763.31,2895.69) 3765.51,2895.69 U8.L14@3782.98,2878.22 ; v1(3763.31,2976.55) 3782.9,2956.96 U8.N14@3782.98,2956.96 ; v1(3763.31,3055.29) 3782.9,3035.7 U8.R14@3782.98,3035.7 ; v1(3802.68,2937.18) 3822.27,2917.59 U8.M13@3822.35,2917.59 ; v1(3802.68,3015.92) 3802.75,3015.92 U8.P13@3822.35,2996.33 ; v1(3802.68,3094.66) 3802.75,3094.66 U8.T13@3822.35,3075.07 ; v1(3842.05,2895.69) 3844.25,2895.69 U8.L12@3861.72,2878.22 ; v1(3842.05,2976.55) 3861.64,2956.96 U8.N12@3861.72,2956.96 ; v1(3842.05,3055.29) 3861.64,3035.7 U8.R12@3861.72,3035.7 ; v1(3881.42,2858.44) 3881.49,2858.44 U8.K11@3901.09,2838.85 ; v1(3881.42,2937.18) 3881.49,2937.18 U8.M11@3901.09,2917.59 ; v1(3881.42,3015.92) 3881.49,3015.92 U8.P11@3901.09,2996.33 ; v1(3881.42,3094.66) 3901.01,3075.07 U8.T11@3901.09,3075.07 ; v1(3920.72,2895.69) 3921.67,2894.73 3923.95,2894.73 U8.L10@3940.46,2878.22 ; v1(3920.72,3134.03) 3940.31,3114.44 U8.U10@3940.46,3114.44 ; C147.2@5007,4213.5 5039.01,4181.49 U21.3@5074.33,4181.49
  L12_Signal w15: v1(3644.64,2858.76) 3647,2861.12 C157.2@3647,2893 ; v1(3644.64,3094.66) 3644.64,3065.36 C154.2@3645,3065 ; C154.2@3646,3065 3646,3065.5 3647.5,3067 3668,3067 3679.71,3055.29 v1(3684.57,3055.29) ; C157.2@3648.5,2893 3681.88,2893 v1(3684.57,2895.69) ; C155.2@3748.5,2849 3763.31,2863.81 v1(3763.31,2895.69) ; v1(3842.05,2895.69) 3844.18,2895.69 v1(3881.42,2858.44) ; C156.2@3847,2823.5 3849.5,2826 3849.5,2826.52 v1(3881.42,2858.44) ; v1(3881.42,3094.66) 3883.26,3096.5 C159.2@3919,3096.5 3919,3132.32 v1(3920.72,3134.03) ; v1(3920.72,2895.69) 3910.5,2885.47 C158.2@3910.5,2864 3886.98,2864 v1(3881.42,2858.44)
  other v1: 4985,4215 5007,4245 5007,4275.98 5075.5,4275.98 4990,4310 5030,4310 5060,4310 5095,4310 5007,4350 5050,4350 4990,4375 5030,4375
1V5: C144.2 C145.2 C160.2 C161.2 C162.2 C163.2 C164.2 C165.2 C166.2 C167.2 C168.2 C184.2 C185.2 C186.2 C187.2 C188.2 U8.AA6 U8.AA10 U8.AA16 U8.AA21 U8.AC6 U8.AD2 U8.F6 U8.F21 U8.G12 U8.G15 U8.J9 U8.J18 U8.K13 U8.L5 U8.L22 U8.M7 U8.M17 U8.N10 U8.P4 U8.P9 U8.T2 U8.T7 U8.U6 U8.U14 U8.V9 U8.W4 U8.W6 U8.Y2 U8.Y19 U20.1 U20.3 U20.20 | length 1530.3
  L1_Signal w3: v2(3960.09,3015.92) v2@3960.16,3015.92 ; U8.P9@3979.75,2996.33 U8.P9@3979.83,2996.33 ; v2(4038.83,2937.18) v2(4038.83,2937.18) ; U8.M7@4058.49,2917.59 U8.M7@4058.57,2917.59 ; v2(4156.94,3015.92) v2(4156.94,3015.92) ; U8.P4@4176.6,2996.33 U8.P4@4176.68,2996.33
  L1_Signal w10: v1(3448.23,2897.08) 3449.16,2897.08 U8.L22@3468.01,2878.22 ; v1(3487.72,2700.96) 3487.79,2700.96 U8.F21@3507.38,2681.37 ; v1(3487.72,3292) 3487.72,3291.59 U8.AA21@3507.38,3271.92 ; v1(3565.38,3252.66) 3566.02,3252.66 U8.Y19@3586.12,3232.55 ; v1(3605.75,2819.07) 3625.35,2799.48 U8.J18@3625.49,2799.48 ; v1(3644.64,2937.18) 3664.23,2917.59 U8.M17@3664.86,2917.59 ; v1(3684.57,3292) 3684.57,3291.59 U8.AA16@3704.23,3271.92 ; v1(3723.94,2740.33) 3743.53,2720.74 U8.G15@3743.61,2720.74 ; v1(3763.31,3134.03) 3782.9,3114.44 U8.U14@3782.98,3114.44 ; v1(3802.68,2858.44) 3802.75,2858.44 U8.K13@3822.35,2838.85 ; v1(3841.98,2740.33) 3861.57,2720.74 U8.G12@3861.72,2720.74 ; v1(3920.72,2976.55) 3920.86,2976.55 U8.N10@3940.46,2956.96 ; v1(3920.79,3289.4) 3938.27,3271.92 U8.AA10@3940.46,3271.92 ; v1(3960.09,2819.07) 3960.24,2819.07 U8.J9@3979.83,2799.48 ; v1(3960.09,3172) 3961.64,3172 U8.V9@3979.83,3153.81 ; v2@3960.16,3015.92 U8.P9@3979.75,2996.33 ; v2(4038.83,2937.18) U8.M7@4058.49,2917.59 ; v1(4038.9,3094.66) 4038.98,3094.66 U8.T7@4058.57,3075.07 ; v1(4078.2,3134.03) 4097.79,3114.44 U8.U6@4097.94,3114.44 ; v1(4078.2,3212) 4079.12,3212 U8.W6@4097.94,3193.18 ; v1(4078.27,3370.25) 4078.35,3370.25 U8.AC6@4097.94,3350.66 ; v1(4078.97,3289.4) 4079.93,3288.45 4081.41,3288.45 U8.AA6@4097.94,3271.92 ; v1(4079.72,2699.12) 4097.46,2681.37 U8.F6@4097.94,2681.37 ; v1(4117.75,2895.69) 4131.36,2882.08 4135.22,2878.22 U8.L5@4137.31,2878.22 ; v2(4156.94,3015.92) U8.P4@4176.6,2996.33 ; v1(4157.01,3212) 4175.83,3193.18 U8.W4@4176.68,3193.18 ; v1(4235.75,3094.66) 4255.34,3075.07 U8.T2@4255.42,3075.07 ; v1(4235.75,3252.14) 4235.83,3252.14 U8.Y2@4255.42,3232.55 ; v1(4236.13,3406.72) 4237.08,3405.76 4239.69,3405.76 U8.AD2@4255.42,3390.03 ; C145.2@5552,4218.5 5584.01,4186.49 U20.3@5619.33,4186.49
  L12_Signal w10: v1(3802.68,2858.44) 3802.68,2857.09 v1@3804,2855.77
  L12_Signal w15: v1@3449,2897 3473.6,2872.4 3487.1,2872.4 C167.2@3489.5,2870 ; v1(3487.72,2700.96) 3489.5,2702.74 C185.2@3489.5,2733 ; v1(3487.72,3292) 3511.96,3267.76 3525.74,3267.76 C188.2@3528,3265.5 3540.84,3252.66 v1(3565.38,3252.66) ; v1(3644.64,2937.18) 3644.64,2961.64 C161.2@3645,2962 ; v1(3684.57,3292) 3687.07,3294.5 C165.2@3718,3294.5 ; v1(3763.31,3134.03) 3764.34,3133 C186.2@3795.5,3133 ; C160.2@3804,2823.5 v1@3804,2855.77 ; v1(3920.79,3289.4) 3941.19,3269 3941.19,3255.31 C166.2@3943.5,3253 ; v1(3960.09,2819.07) 3960.09,2792.41 C162.2@3961.5,2791 ; v2(4038.83,2937.18) 4062.6,2913.41 4077.09,2913.41 C168.2@4079,2911.5 4101.94,2911.5 v1(4117.75,2895.69) ; v1(4078.2,3212) 4107.7,3182.5 4123,3182.5 C163.2@4124.5,3181 4155.5,3212 v1(4157.01,3212) ; v1@4079.07,3289.5 v1(4078.97,3289.4) 4115.1,3289.4 C164.2@4116,3288.5 ; v1(4235.75,3094.66) 4241.59,3100.5 C187.2@4264,3100.5
  other v1: 5530,4220 5552,4250 5552,4280.98 5620.5,4280.98 5535,4315 5575,4315 5605,4315 5640,4315 5552,4355 5595,4355 5535,4380 5575,4380
1V8: C29.2 C30.2 C101.2 C102.2 C103.2 C104.2 C105.2 C106.2 C107.2 C108.2 C122.2 C123.2 C124.2 C125.2 C126.2 C127.2 C128.2 C129.2 R89.2 U6.1 U6.3 U6.20 U14.1 U14.2 U14.8 U14.29 U14.35 U16.1 U16.38 U16.48 U16.58 | length 105.5
  L1_Signal w10: U6.3@2454.14,4294.77 2466.93,4294.77 2509.65,4252.05 2509.65,4219.77
  other v1: 1471.29,1679.99 1508.45,1681.81 1605,1685 1645,1685 1490,1700 1460,2040 1500,2040 1590,2040 1630,2040 1426.75,3029.52 1632.75,3030.52 1429.75,3077.52 1631.75,3083.52 1722.75,3304.52 1684.75,3307.52 1669.75,3458.52 1641.45,3480.45 1686.7,3490.45 1628.56,3523.79 1669.75,3523.79 1705.74,3523.79 2539.3,4140 2569.3,4140 2479.3,4170 2509.3,4170 2539.3,4170 2569.3,4170 2479.3,4200 2509.65,4200.28 2539.3,4200 2569.65,4200.28